# Altium PCB PCB_wordclocksmall_2022-11-05.pcbdoc (part 3 of 5) (continued)
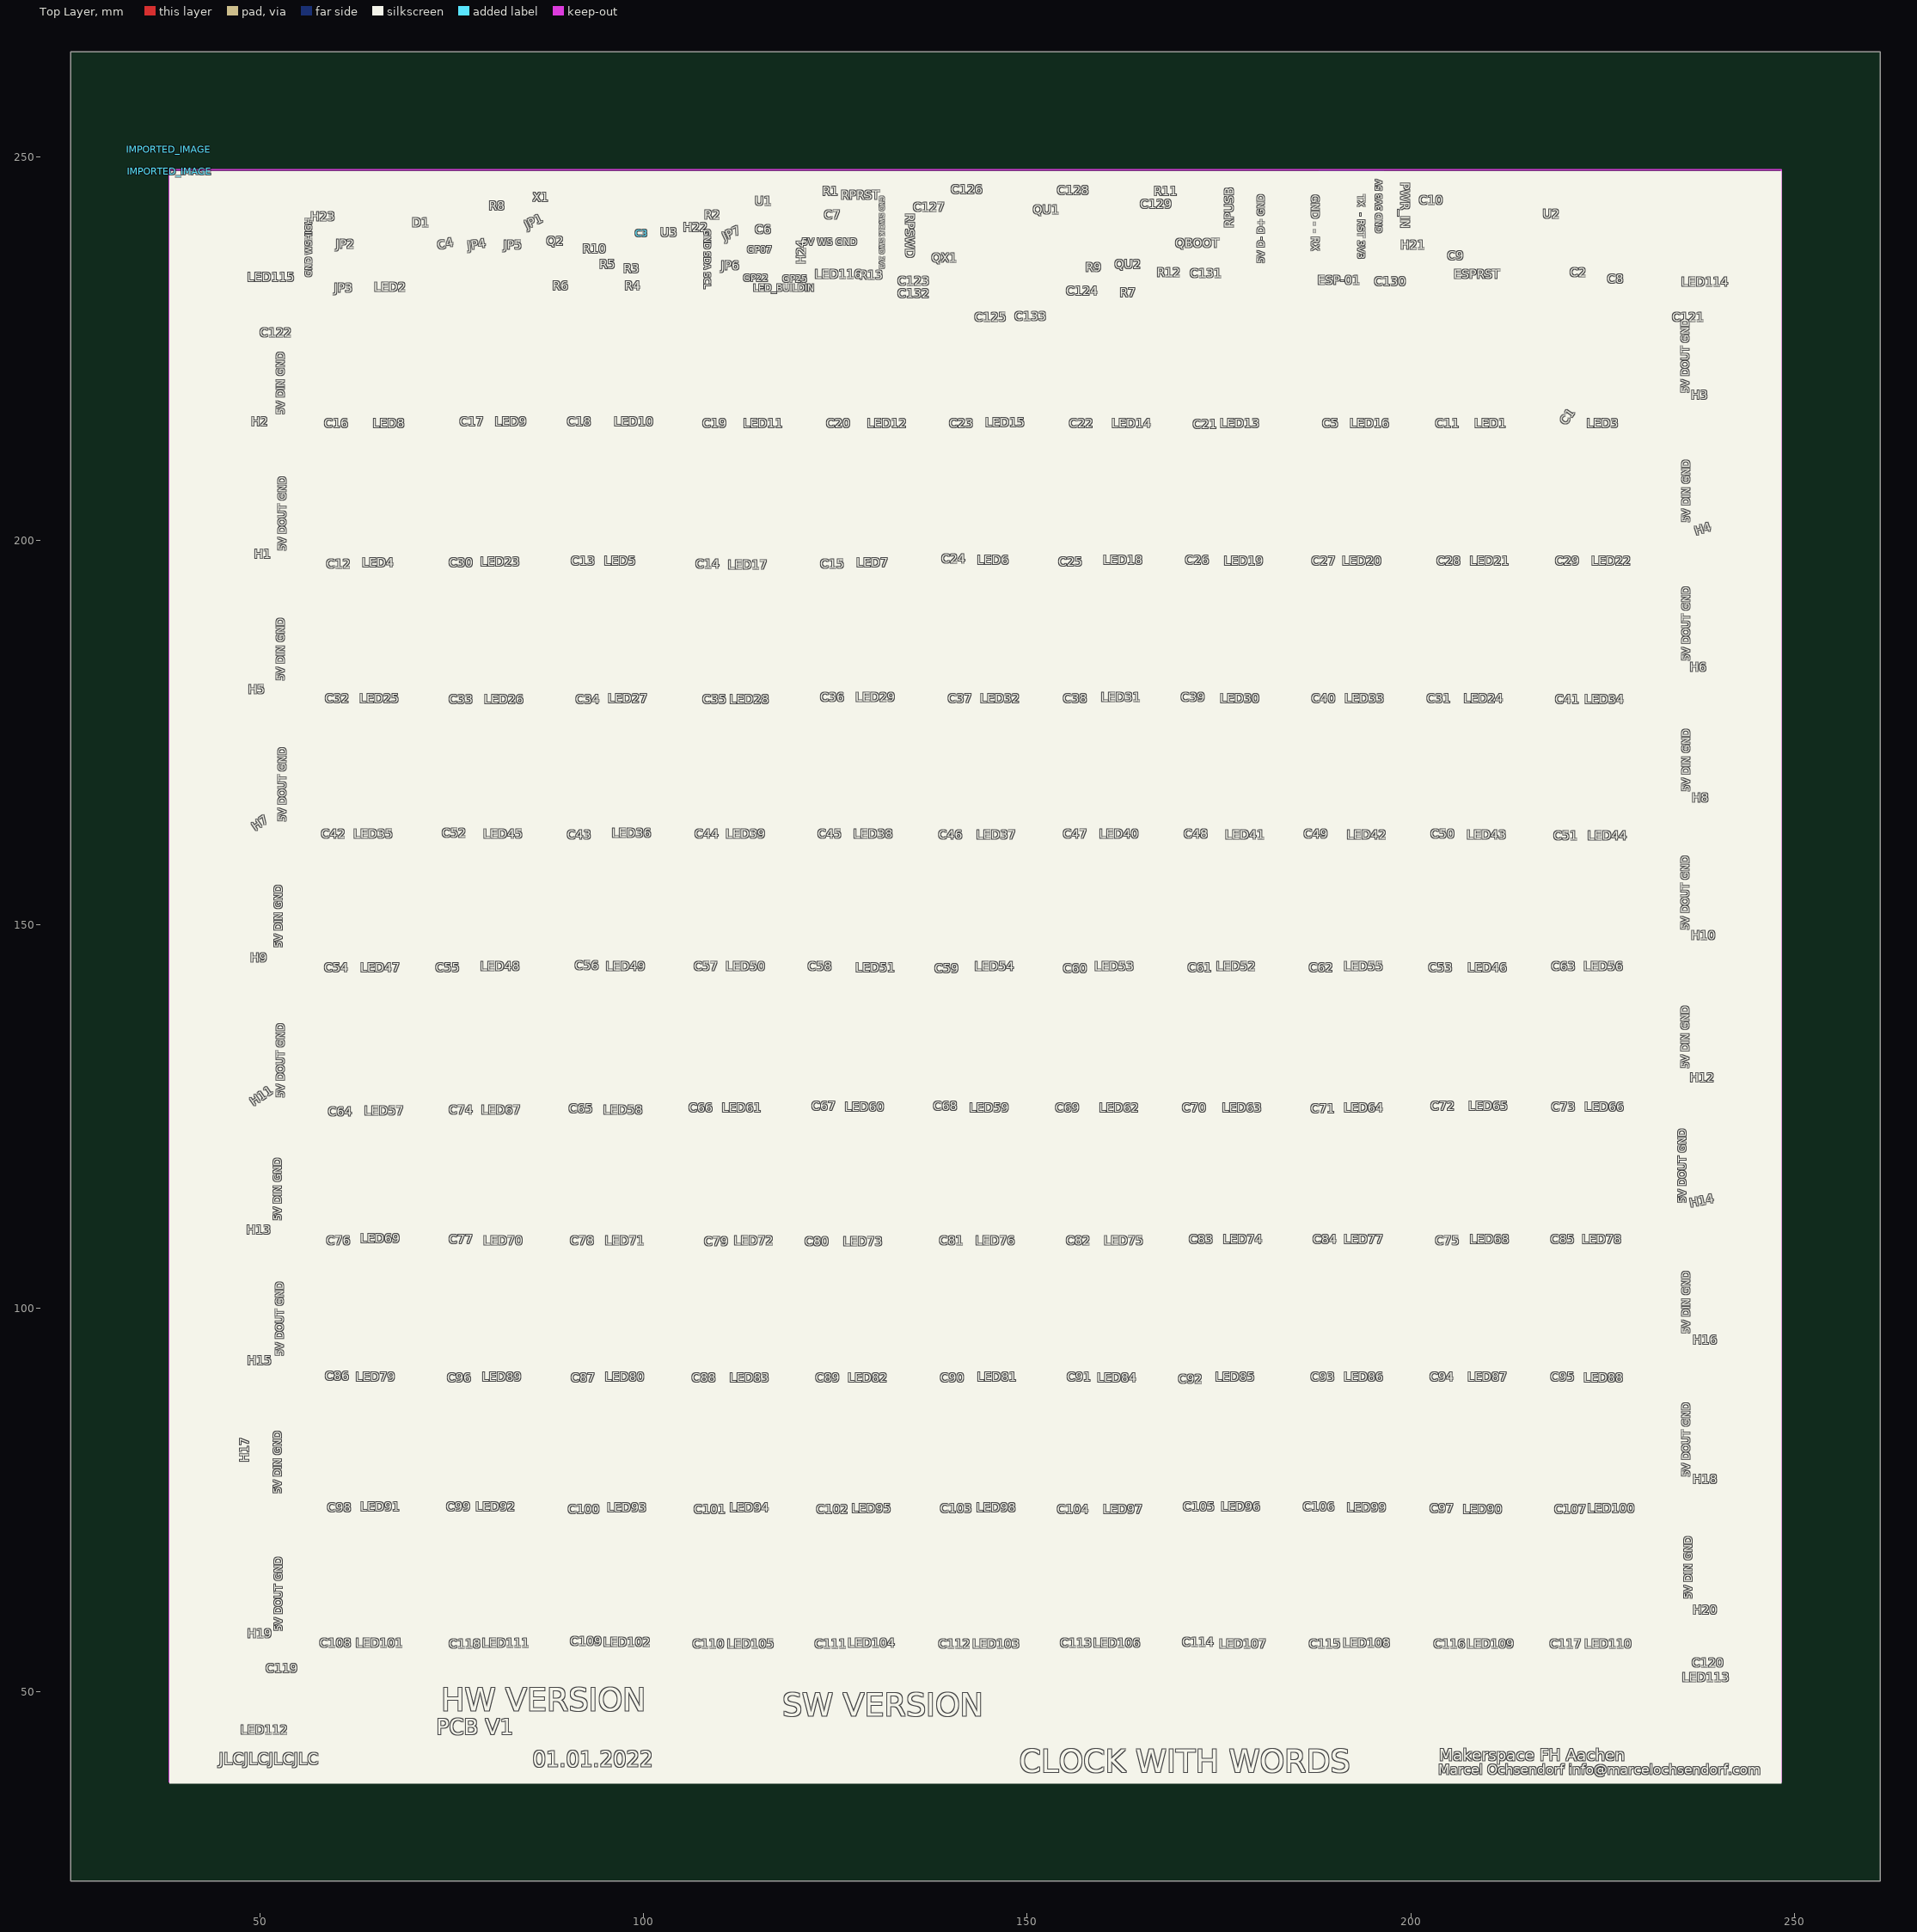
[diagram p0: Top Layer view]
## Footprints (in the part's own frame and the unit in brackets; to place one, negate y for a bottom-side part, rotate by r counter-clockwise, add the part's x,y. Pads: shape width x height; smd on the part's side, far side on the other; paste and mask are expansions set on the pad) (continued)
  Bottom Layer region: -0.825,-17.78 -0.818,-17.677 -0.799,-17.575 -0.767,-17.476 -0.723,-17.382 -0.668,-17.295 -0.601,-17.215 -0.526,-17.144 -0.442,-17.083 -0.351,-17.033 -0.255,-16.995 -0.155,-16.969 -0.052,-16.957 0.052,-16.957 0.155,-16.969 0.255,-16.995 0.351,-17.033 0.442,-17.083 0.526,-17.144 0.601,-17.215 0.668,-17.295 0.723,-17.382 0.767,-17.476 0.799,-17.575 0.818,-17.677 0.825,-17.78 0.825,-19.43 0.818,-19.533 0.799,-19.635 0.767,-19.734 0.723,-19.827 0.668,-19.915 0.601,-19.995 0.526,-20.066 0.442,-20.126 0.351,-20.176 0.255,-20.215 0.155,-20.24 0.052,-20.253 -0.052,-20.253 -0.155,-20.24 -0.255,-20.215 -0.351,-20.176 -0.442,-20.126 -0.526,-20.066 -0.601,-19.995 -0.668,-19.915 -0.723,-19.827 -0.767,-19.734 -0.799,-19.635 -0.818,-19.533 -0.825,-19.43
  Bottom Layer region: -48.03,-5.525 -47.926,-5.532 -47.825,-5.551 -47.726,-5.583 -47.632,-5.627 -47.545,-5.682 -47.465,-5.749 -47.394,-5.824 -47.333,-5.908 -47.283,-5.999 -47.245,-6.095 -47.22,-6.195 -47.206,-6.298 -47.206,-6.402 -47.22,-6.505 -47.245,-6.605 -47.283,-6.701 -47.333,-6.792 -47.394,-6.876 -47.465,-6.951 -47.545,-7.018 -47.632,-7.073 -47.726,-7.117 -47.825,-7.149 -47.926,-7.168 -48.03,-7.175 -49.68,-7.175 -49.783,-7.168 -49.885,-7.149 -49.984,-7.117 -50.077,-7.073 -50.165,-7.018 -50.245,-6.951 -50.316,-6.876 -50.377,-6.792 -50.426,-6.701 -50.464,-6.605 -50.49,-6.505 -50.503,-6.402 -50.503,-6.298 -50.49,-6.195 -50.464,-6.095 -50.426,-5.999 -50.377,-5.908 -50.316,-5.824 -50.245,-5.749 -50.165,-5.682 -50.077,-5.627 -49.984,-5.583 -49.885,-5.551 -49.783,-5.532 -49.68,-5.525
  Bottom Layer region: -48.03,-8.065 -47.926,-8.072 -47.825,-8.091 -47.726,-8.123 -47.632,-8.167 -47.545,-8.222 -47.465,-8.289 -47.394,-8.364 -47.333,-8.448 -47.283,-8.539 -47.245,-8.635 -47.22,-8.735 -47.206,-8.838 -47.206,-8.942 -47.22,-9.045 -47.245,-9.145 -47.283,-9.241 -47.333,-9.332 -47.394,-9.416 -47.465,-9.491 -47.545,-9.558 -47.632,-9.613 -47.726,-9.657 -47.825,-9.689 -47.926,-9.708 -48.03,-9.715 -49.68,-9.715 -49.783,-9.708 -49.885,-9.689 -49.984,-9.657 -50.077,-9.613 -50.165,-9.558 -50.245,-9.491 -50.316,-9.416 -50.377,-9.332 -50.426,-9.241 -50.464,-9.145 -50.49,-9.045 -50.503,-8.942 -50.503,-8.838 -50.49,-8.735 -50.464,-8.635 -50.426,-8.539 -50.377,-8.448 -50.316,-8.364 -50.245,-8.289 -50.165,-8.222 -50.077,-8.167 -49.984,-8.123 -49.885,-8.091 -49.783,-8.072 -49.68,-8.065
  Bottom Layer region: -48.03,-10.605 -47.926,-10.611 -47.825,-10.631 -47.726,-10.663 -47.632,-10.707 -47.545,-10.762 -47.465,-10.829 -47.394,-10.904 -47.333,-10.988 -47.283,-11.079 -47.245,-11.175 -47.22,-11.275 -47.206,-11.378 -47.206,-11.482 -47.22,-11.585 -47.245,-11.685 -47.283,-11.781 -47.333,-11.872 -47.394,-11.956 -47.465,-12.031 -47.545,-12.098 -47.632,-12.153 -47.726,-12.197 -47.825,-12.229 -47.926,-12.248 -48.03,-12.255 -49.68,-12.255 -49.783,-12.248 -49.885,-12.229 -49.984,-12.197 -50.077,-12.153 -50.165,-12.098 -50.245,-12.031 -50.316,-11.956 -50.377,-11.872 -50.426,-11.781 -50.464,-11.685 -50.49,-11.585 -50.503,-11.482 -50.503,-11.378 -50.49,-11.275 -50.464,-11.175 -50.426,-11.079 -50.377,-10.988 -50.316,-10.904 -50.245,-10.829 -50.165,-10.762 -50.077,-10.707 -49.984,-10.663 -49.885,-10.631 -49.783,-10.611 -49.68,-10.605
  silkscreen extent -49.63,-19.39 3.81,1.61
SOP-8_L4.9-W3.9-P1.27-LS6.0-BL [mm]
  oval 0.63x1.865 smd: 1(-1.905,-2.682) 2(-0.635,-2.682) 3(0.635,-2.682) 4(1.905,-2.682) 5(1.905,2.682) 6(0.635,2.682) 7(-0.635,2.682) 8(-1.905,2.682)
  silkscreen extent -2.82,-2.83 2.58,1.52
SOT-23-3_L2.9-W1.3-P1.90-LS2.4-BR [mm]
  rect 1.25x0.7 smd: 1(1,-0.95) 2(1,0.95) 3(-1,0)
  silkscreen extent -0.73,-1.53 0.73,1.53
SOT-223_L6.5-W3.5-P2.30-LS7.0-BR [mil]
  rect 85x43 smd: 1(122,-90.5) 2(122,0.5) 3(122,90.5)
  rect 85x138 smd: 4(-122,0.5)
  silkscreen extent -64,-132 64,132
WSOF-6_L2.6-W1.6-P0.50-TL-EP [mm]
  rect 0.505x0.28 smd: 1(-1.428,0.5) 2(-1.428,0) 3(-1.428,-0.5) 4(1.428,-0.5) 5(1.428,0) 6(1.428,0.5)
  rect 1.5x1.2 smd: 7(0,0)
  silkscreen extent -2.05,-0.88 1.58,0.88
WSON-8_L6.0-W5.0-P1.27-BL-EP [mm]
  oval 0.581x1.276 smd: 1(-1.905,-3.013) 2(-0.635,-3.013) 3(0.635,-3.013) 4(1.905,-3.013) 5(1.905,3.013) 6(0.635,3.013) 7(-0.635,3.013) 8(-1.905,3.013)
  rect 4.3x3.4 smd: 9(0,0)
  silkscreen extent -2.58,-4.05 2.58,3.08

## Free pads (board coordinates)
  round 3.3 hole 3.3 unplated: ""(43.815,243.855) ""(49.276,71.643) ""(49.276,107.838) ""(49.53,177.942) ""(49.911,142.763) ""(49.911,212.613) ""(63.119,49.291) ""(77.089,244.871) ""(110.363,49.164) ""(149.733,49.037) ""(179.578,49.037) ""(223.139,49.037) ""(237.236,162.956) ""(237.49,91.582) ""(237.49,127.396) ""(237.744,197.627) ""(243.586,244.617)

## Via types
v1: diameter 0.635, hole 0.305, Top Layer to Bottom Layer, tented both sides, 201 vias
v2: diameter 1, hole 0.5, Top Layer to Bottom Layer, tented both sides, 3 vias

## Nets (pads, with @x,y where several pads share a name; then routed paths per layer and width w, separated by ;. In a path a pad name is that pad's centre, name@x,y a point inside that pad or via, vN(x,y) a via of type N, cw(c..) or ccw(c..) an arc to the next point about the centre after c; other vN are vias at no path point)
1_3V3(OUT): 1.3V3(OUT)
1_3V3_EN: 1.3V3_EN
1_ADC_VREF: 1.ADC_VREF
1_GND3: 1.GND3
1_GND6: 1.GND6
1_GND7: 1.GND7
1_GND8: 1.GND8
1_GP4: 1.GP4
1_GP5: 1.GP5
1_GP6: 1.GP6
1_GP7: 1.GP7
1_GP8: 1.GP8
1_GP9: 1.GP9
1_GP10: 1.GP10
1_GP11: 1.GP11
1_GP12: 1.GP12
1_GP13: 1.GP13
1_GP14: 1.GP14
1_GP15: 1.GP15
1_GP17: 1.GP17
1_GP18: 1.GP18
1_GP19: 1.GP19
1_GP20: 1.GP20
1_GP21: 1.GP21
1_GP26: 1.GP26
1_GP27: 1.GP27
1_GP28: 1.GP28
1_RUN: 1.RUN
1_SWCLK: 1.SWCLK
1_SWDIO: 1.SWDIO
1_VSYS: 1.VSYS
+1V1: C123.1 C124.1 QU1.23 QU1.45 QU1.50 | length 39.7
  Top Layer w0.229: C123.1@139.827,235.346 139.827,237.505 140.335,238.013 141.224,238.013 142.657,239.446 QU1.23@144.278,239.445 ; QU1.23@144.278,239.445 145.126,239.445 145.288,239.283 145.288,237.759 v1(145.415,237.632) ; v1(145.415,240.934) 145.415,241.696 145.923,242.204 149.225,242.204 149.86,241.569 149.86,240.447 150.061,240.246 ; QU1.45@151.378,238.245 152.168,238.245 153.797,236.616 C124.1@153.797,235.473 ; QU1.45@151.378,238.245 150.391,238.244 149.733,238.902 149.733,239.918 150.061,240.246 ; QU1.50@151.378,240.245 150.061,240.246
  Bottom Layer w0.229: v1(145.415,237.632) 145.415,238.394 144.78,239.029 141.986,239.029 141.224,239.791 141.224,241.061 140.97,241.315 140.97,242.331 141.351,242.712 142.494,242.712 144.272,240.934 v1(145.415,240.934)
+5V: 1.VBUS C1.1 C2.2 C5.1 C8.1 C11.1 C12.1 C13.1 C14.1 C15.1 C16.1 C17.1 C18.1 C19.1 C20.1 C21.1 C22.1 C23.1 C24.1 C25.1 C26.1 C27.1 C28.1 C29.1 C30.1 C31.1 C32.1 C33.1 C34.1 C35.1 C36.1 C37.1 C38.1 C39.1 C40.1 C41.1 C42.1 C43.1 C44.1 C45.1 C46.1 C47.1 C48.1 C49.1 C50.1 C51.1 C52.1 C53.1 C54.1 C55.1 C56.1 C57.1 C58.1 C59.1 C60.1 C61.1 C62.1 C63.1 C64.1 C65.1 C66.1 C67.1 C68.1 C69.1 C70.1 C71.1 C72.1 C73.1 C74.1 C75.1 C76.1 C77.1 C78.1 C79.1 C80.1 C81.1 C82.1 C83.1 C84.1 C85.1 C86.1 C87.1 C88.1 C89.1 C90.1 C91.1 C92.1 C93.1 C94.1 C95.1 C96.1 C97.1 C98.1 C99.1 C100.1 C101.1 C102.1 C103.1 C104.1 C105.1 C106.1 C107.1 C108.1 C109.1 C110.1 C111.1 C112.1 C113.1 C114.1 C115.1 C116.1 C117.1 C118.1 C119.1 C120.1 C121.1 C122.1 D1.2 H1.1 H2.1 H3.1 H4.1 H5.1 H6.1 H7.1 H8.1 H9.1 H10.1 H11.1 H12.1 H13.1 H14.1 H15.1 H16.1 H17.1 H18.1 H19.1 H20.1 H21.1 H24.1 JP4.1 LED1.1 LED3.1 LED4.1 LED5.1 LED6.1 LED7.1 LED8.1 LED9.1 LED10.1 LED11.1 LED12.1 LED13.1 LED14.1 LED15.1 LED16.1 LED17.1 LED18.1 LED19.1 LED20.1 LED21.1 LED22.1 LED23.1 LED24.1 LED25.1 LED26.1 LED27.1 LED28.1 LED29.1 LED30.1 LED31.1 LED32.1 LED33.1 LED34.1 LED35.1 LED36.1 LED37.1 LED38.1 LED39.1 LED40.1 LED41.1 LED42.1 LED43.1 LED44.1 LED45.1 LED46.1 LED47.1 LED48.1 LED49.1 LED50.1 LED51.1 LED52.1 LED53.1 LED54.1 LED55.1 LED56.1 LED57.1 LED58.1 LED59.1 LED60.1 LED61.1 LED62.1 LED63.1 LED64.1 LED65.1 LED66.1 LED67.1 LED68.1 LED69.1 LED70.1 LED71.1 LED72.1 LED73.1 LED74.1 LED75.1 LED76.1 LED77.1 LED78.1 LED79.1 LED80.1 LED81.1 LED82.1 LED83.1 LED84.1 LED85.1 LED86.1 LED87.1 LED88.1 LED89.1 LED90.1 LED91.1 LED92.1 LED93.1 LED94.1 LED95.1 LED96.1 LED97.1 LED98.1 LED99.1 LED100.1 LED101.1 LED102.1 LED103.1 LED104.1 LED105.1 LED106.1 LED107.1 LED108.1 LED109.1 LED110.1 LED111.1 LED112.1 LED113.1 LED114.1 LED115.1 R6.2 R8.2 RPUSB.1 U2.3 | length 3367.7
  Top Layer w0.5: D1.2@68.272,242.204 76.073,242.204 78.867,239.41 78.867,237.353 JP4.1@78.765,237.251 ; R8.2@80.772,242.331 80.772,241.315 78.765,239.309 JP4.1@78.765,237.251 ; R6.2@84.836,234.203 79.121,234.203 78.74,234.584 JP4.1@78.765,237.251
  Top Layer w1: LED115.1@48.046,239.894 50.419,237.521 50.419,236.235 48.514,234.33 48.514,230.774 49.784,229.504 C122.1@51.181,229.504 50.673,229.504 v1(49.53,228.361) ; H13.1@49.403,113.045 55.118,113.045 58.674,109.489 62.992,109.489 ; H19.1@49.53,60.467 53.467,56.53 ; H17.1@49.53,77.612 49.53,76.342 51.308,74.564 62.992,74.564 ; H5.1@49.53,183.276 54.356,183.276 57.404,180.228 63.119,180.228 ; H15.1@49.657,95.9 49.657,93.614 49.53,93.487 51.562,91.455 65.405,91.455 ; H9.1@49.784,148.351 55.118,148.351 58.547,144.922 63.119,144.922 ; H11.1@49.911,129.682 49.911,127.904 51.181,126.634 66.167,126.634 ; H2.1@49.911,218.201 53.467,214.645 62.611,214.645 ; H7.1@50.038,165.496 53.34,162.194 64.77,162.194 ; H1.1@50.038,201.056 50.038,199.532 51.816,197.754 64.77,197.754 ; LED112.1@52.538,47.791 51.919,47.791 49.53,50.18 C119.1@49.53,53.99 50.927,53.99 53.467,56.53 ; LED8.1@64.984,220.892 63.373,219.281 C16.1@63.373,217.82 63.373,215.407 62.611,214.645 ; LED25.1@65.238,185.713 65.238,184.379 C32.1@63.754,182.895 63.754,180.863 63.119,180.228 ; LED4.1@65.238,203.62 65.238,201.905 C12.1@63.627,200.294 63.627,198.897 64.77,197.754 ; LED35.1@65.365,167.933 65.365,166.472 C42.1@63.627,164.734 63.627,163.337 64.77,162.194 ; LED101.1@65.619,63.031 65.619,61.189 C108.1@63.881,59.451 63.881,57.927 65.278,56.53 ; LED57.1@65.619,132.246 65.619,130.15 C64.1@63.881,128.412 64.389,128.412 66.294,126.507 80.772,126.507 ; LED91.1@65.746,80.176 65.746,79.096 C98.1@64.008,77.358 64.008,75.58 62.992,74.564 ; LED79.1@65.746,98.464 65.746,96.876 C86.1@64.008,95.138 64.008,92.852 65.405,91.455 ; LED69.1@65.746,115.355 65.746,114.021 C76.1@64.008,112.283 64.008,110.759 64.135,110.632 62.992,109.489 ; LED47.1@65.746,150.915 65.746,149.454 C54.1@64.008,147.716 64.008,145.811 63.119,144.922 ; LED92.1@80.478,80.176 80.478,78.969 C99.1@78.994,77.485 78.994,75.834 77.724,74.564 ; LED111.1@80.605,63.285 80.605,61.062 C118.1@79.121,59.578 79.121,58.816 78.867,58.562 80.899,56.53 ; LED89.1@80.732,98.464 80.732,96.749 C96.1@79.248,95.265 79.248,93.233 81.026,91.455 ; LED70.1@80.859,115.355 80.859,113.64 C77.1@79.502,112.283 79.502,110.632 78.359,109.489 ; LED67.1@81.113,132.119 81.113,130.023 C74.1@79.629,128.539 79.629,127.65 80.772,126.507 ; LED23.1@81.113,203.62 81.113,201.778 C30.1@79.629,200.294 79.629,198.643 80.518,197.754 ; LED48.1@81.24,150.915 81.24,148.946 C55.1@79.756,147.462 79.756,145.684 78.994,144.922 ; LED45.1@81.24,167.806 81.24,166.472 C52.1@79.629,164.861 79.629,163.21 80.645,162.194 ; LED26.1@81.24,185.586 81.24,184.506 C33.1@79.629,182.895 79.629,180.863 78.994,180.228 ; v1(83.439,221.249) 83.336,221.146 81.113,221.146 79.883,219.916 C17.1@79.883,218.201 79.883,215.788 78.74,214.645 ; v1(83.439,228.361) 84.836,229.758 R6.2@84.836,234.203 ; LED10.1@96.987,221.272 v2(98.552,221.249) ; LED10.1@96.988,221.273 95.25,219.535 C18.1@95.25,218.328 95.25,216.169 93.726,214.645 ; LED93.1@97.115,80.303 97.115,78.842 C100.1@95.631,77.358 95.631,75.58 94.615,74.564 ; LED102.1@97.242,63.158 97.242,61.316 C109.1@95.504,59.578 95.504,58.054 97.028,56.53 ; LED80.1@97.242,98.337 97.242,96.622 C87.1@95.758,95.138 95.758,92.979 97.282,91.455 ; LED71.1@97.242,115.609 97.242,113.513 C78.1@96.012,112.283 96.012,111.14 96.139,111.013 94.615,109.489 ; LED58.1@97.369,132.119 97.369,129.769 C65.1@96.139,128.539 96.139,128.031 97.663,126.507 112.649,126.507 ; LED49.1@97.369,150.915 97.369,148.819 C56.1@96.012,147.462 96.012,145.684 95.25,144.922 ; LED5.1@97.369,203.366 97.369,201.905 C13.1@95.758,200.294 95.758,198.389 96.393,197.754 ; LED36.1@97.623,167.806 97.623,166.218 C43.1@96.139,164.734 96.139,163.464 96.012,163.337 97.155,162.194 ; LED27.1@97.75,185.84 97.75,184.379 C34.1@96.139,182.768 96.139,180.99 95.377,180.228 ; 97.917,126.507 80.772,126.507 ; LED28.1@112.99,185.84 112.99,184.379 C35.1@111.379,182.768 111.379,181.244 110.363,180.228 ; LED61.1@113.117,131.992 113.117,130.277 C66.1@111.633,128.793 111.633,127.904 112.522,126.507 129.794,126.507 ; LED39.1@113.117,167.933 113.117,166.853 C44.1@111.125,164.861 111.125,163.21 112.141,162.194 ; LED94.1@113.244,80.43 113.244,79.223 C101.1@111.506,77.485 111.506,75.961 111.633,75.834 110.363,74.564 ; LED83.1@113.244,98.337 113.244,96.876 C88.1@111.633,95.265 111.633,93.106 113.284,91.455 ; LED72.1@113.244,115.736 113.244,114.021 C79.1@111.76,112.537 111.76,110.632 110.617,109.489 ; LED50.1@113.244,150.915 113.244,149.327 C57.1@111.379,147.462 111.379,146.065 110.236,144.922 ; LED105.1@113.371,63.031 113.371,61.57 C110.1@111.506,59.705 111.506,57.419 112.395,56.53 ; LED17.1@113.879,203.493 113.879,201.778 C14.1@112.395,200.294 112.395,199.405 114.046,197.754 ; LED11.1@113.879,221.4 112.268,219.789 C19.1@112.268,218.582 112.268,216.55 110.363,214.645 ; LED95.1@129.5,80.303 129.5,78.842 C102.1@128.016,77.358 128.016,75.58 127,74.564 ; LED82.1@129.5,98.337 129.5,96.749 C89.1@128.016,95.265 128.016,93.106 129.667,91.455 ; LED73.1@129.5,115.736 129.5,113.767 C80.1@128.143,112.41 128.143,110.632 127,109.489 ; LED104.1@129.754,62.65 129.754,60.935 C111.1@128.27,59.451 128.27,57.673 129.413,56.53 ; LED60.1@129.754,132.246 129.754,130.531 C67.1@128.27,129.047 128.27,128.031 129.794,126.507 ; LED51.1@129.754,151.042 129.754,148.946 C58.1@128.143,147.335 128.143,146.192 128.27,146.065 127.127,144.922 ; LED38.1@129.754,168.06 129.754,166.599 C45.1@128.27,165.115 128.27,163.718 129.794,162.194 ; LED29.1@129.754,185.84 129.754,184.379 C36.1@128.27,182.895 128.27,181.244 127.254,180.228 ; LED7.1@129.754,203.366 129.754,202.921 129.667,202.834 129.667,201.945 C15.1@128.143,200.421 130.81,197.754 ; LED12.1@130.135,221.273 128.651,219.789 C20.1@128.651,218.455 128.651,216.804 126.492,214.645 ; 145.542,126.507 129.794,126.507 ; LED15.1@145.629,221.273 144.018,219.662 C23.1@144.018,218.455 144.018,216.042 142.621,214.645 ; LED54.1@145.756,151.042 145.756,149.2 C59.1@144.145,147.589 144.145,145.811 143.256,144.922 ; LED37.1@145.756,168.06 145.756,166.853 C46.1@144.145,165.242 144.145,163.591 145.542,162.194 ; LED32.1@145.756,185.713 145.756,184.252 C37.1@144.145,182.641 144.145,181.244 143.129,180.228 ; LED76.1@145.883,115.609 145.883,113.767 C81.1@144.399,112.283 144.399,110.632 143.256,109.489 ; LED59.1@145.883,132.373 145.883,130.658 C68.1@144.272,129.047 144.272,127.65 145.415,126.507 161.798,126.507 ; LED6.1@145.883,203.62 145.883,202.159 C24.1@144.145,200.421 144.145,198.897 145.288,197.754 ; LED98.1@146.01,80.43 146.01,79.096 C103.1@144.272,77.358 144.272,76.088 144.399,75.961 143.002,74.564 ; LED81.1@146.01,98.337 146.01,96.876 C90.1@144.399,95.265 144.399,93.233 146.177,91.455 ; LED103.1@146.137,62.777 146.137,61.316 C112.1@144.272,59.451 144.272,57.546 145.288,56.53 ; LED106.1@161.25,62.65 161.25,60.808 C113.1@159.893,59.451 159.893,58.308 161.671,56.53 ; LED97.1@161.25,80.303 161.25,79.985 161.036,79.771 161.036,78.501 C104.1@159.639,77.104 159.639,75.707 158.496,74.564 ; LED84.1@161.377,98.464 161.377,96.622 C91.1@159.893,95.138 159.893,93.106 161.544,91.455 ; LED75.1@161.377,115.609 161.377,114.021 C82.1@159.766,112.41 159.766,110.632 158.623,109.489 ; LED62.1@161.377,132.373 161.377,130.531 C69.1@159.893,129.047 159.893,128.412 161.798,126.507 ; LED53.1@161.377,150.915 161.377,149.073 C60.1@160.147,147.843 160.147,146.065 159.004,144.922 ; LED40.1@161.504,168.06 161.504,166.599 C47.1@160.02,165.115 160.02,164.226 162.052,162.194 ; LED31.1@161.631,185.713 161.631,184.125 C38.1@160.147,182.641 160.147,181.371 159.004,180.228 ; LED18.1@161.885,203.62 161.885,202.032 C25.1@160.147,200.294 162.687,197.754 ; LED14.1@161.884,221.399 v1(163.83,221.376) ; LED14.1@161.885,221.4 160.274,219.789 C22.1@160.274,218.328 160.274,216.296 158.623,214.645 ; LED30.1@177.252,185.713 177.252,184.125 C39.1@175.768,182.641 175.768,181.371 174.625,180.228 ; LED107.1@177.633,62.65 177.633,60.681 C114.1@176.53,59.578 176.53,57.546 177.546,56.53 ; LED85.1@177.633,98.21 177.633,96.368 C92.1@176.149,94.884 176.149,93.106 177.8,91.455 ; LED74.1@177.633,115.736 177.633,113.767 C83.1@176.149,112.283 176.149,110.378 175.26,109.489 ; LED41.1@177.633,168.187 177.633,166.853 C48.1@175.895,165.115 175.895,163.591 177.292,162.194 ; LED96.1@177.76,80.557 177.76,78.461 C105.1@176.403,77.104 176.403,75.834 175.133,74.564 ; LED63.1@177.76,132.5 177.76,130.404 C70.1@176.53,129.174 176.53,127.904 177.927,126.507 ; LED13.1@177.76,221.654 176.276,220.17 C21.1@176.276,218.328 176.276,215.407 175.514,214.645 ; LED52.1@177.887,151.169 177.887,149.581 C61.1@176.276,147.97 176.276,146.065 175.133,144.922 ; LED19.1@178.141,203.62 178.141,201.905 C26.1@176.657,200.421 176.657,199.024 177.927,197.754 ; 190.733,109.489 206.629,109.489 ; LED20.1@194.016,203.62 192.532,202.136 C27.1@192.532,200.421 195.199,197.754 ; LED108.1@194.27,62.777 194.27,61.189 C115.1@192.532,59.451 192.532,57.8 193.802,56.53 ; LED99.1@194.27,80.303 194.27,78.588 C106.1@192.786,77.104 192.786,75.707 191.643,74.564 ; LED86.1@194.27,98.083 194.27,96.114 C93.1@192.659,94.503 192.659,92.725 193.929,91.455 ; LED77.1@194.27,115.863 194.27,114.275 C84.1@192.659,112.664 192.659,111.14 192.786,111.013 191.262,109.489 175.26,109.489 ; LED55.1@194.27,151.042 194.27,149.327 C62.1@192.659,147.716 192.659,146.065 191.516,144.922 ; LED42.1@194.27,168.441 194.27,166.599 C49.1@192.913,165.242 192.913,163.718 194.437,162.194 ; LED64.1@194.397,132.373 194.397,130.912 C71.1@192.786,129.301 192.786,127.65 193.929,126.507 ; LED33.1@194.397,185.459 194.397,184.125 C40.1@192.913,182.641 192.913,180.736 192.405,180.228 ; LED16.1@195.032,221.527 193.294,219.789 C5.1@193.294,218.455 193.294,216.423 191.516,214.645 ; 207.772,198.135 208.153,197.754 224.282,197.754 224.663,198.135 C29.1@224.663,200.04 226.274,201.651 LED22.1@226.274,203.493 237.26,203.493 H4.1@237.744,203.977 ; LED109.1@209.637,62.65 209.637,61.062 C116.1@208.28,59.705 208.28,57.546 209.296,56.53 ; LED87.1@209.637,98.083 209.637,96.241 C94.1@208.026,94.63 208.026,92.598 209.169,91.455 ; LED90.1@209.764,80.176 209.764,78.715 C97.1@208.026,76.977 208.026,75.707 208.153,75.58 207.137,74.564 ; LED68.1@209.764,115.863 209.764,114.275 C75.1@207.899,112.41 207.899,110.759 206.629,109.489 ; LED65.1@209.891,132.373 209.891,131.166 C72.1@208.026,129.301 208.026,127.142 208.661,126.507 ; LED46.1@209.891,150.915 209.891,149.073 C53.1@208.534,147.716 208.534,145.938 207.518,144.922 ; LED43.1@209.891,168.441 209.891,166.726 C50.1@208.534,165.369 208.534,163.718 210.058,162.194 ; LED21.1@209.891,203.62 208.28,202.009 C28.1@208.28,200.294 208.28,198.643 207.391,197.754 195.199,197.754 ; LED24.1@210.018,185.586 210.018,183.871 C31.1@208.534,182.387 208.534,181.117 207.645,180.228 ; LED1.1@210.018,221.527 208.28,219.789 C11.1@208.28,218.582 208.28,215.915 207.01,214.645 ; U2.3@216.929,237.454 221.666,237.454 C2.2@221.742,237.378 C8.1@227.584,237.401 ; C121.1@234.696,231.536 v2(233.426,232.806) 233.426,235.6 236.22,238.394 237.49,238.394 239.244,240.148 LED114.1@239.244,240.894 ; H6.1@237.49,186.197 226.504,186.197 LED34.1@226.02,185.713 226.02,183.871 C41.1@224.536,182.387 224.536,181.117 223.647,180.228 207.645,180.228 ; H3.1@237.49,221.757 226.377,221.757 LED3.1@226.147,221.527 224.536,219.916 C1.1@224.536,218.709 224.536,215.534 223.647,214.645 207.01,214.645 ; H14.1@237.617,116.347 237.133,115.863 LED78.1@226.274,115.863 226.274,114.275 C85.1@224.536,112.537 224.536,111.14 222.885,109.489 206.629,109.489 ; H12.1@237.617,132.857 237.133,132.373 LED66.1@226.147,132.373 226.147,131.039 C73.1@224.409,129.301 224.409,127.269 223.647,126.507 208.661,126.507 ; H10.1@237.617,151.272 237.26,150.915 LED56.1@226.147,150.915 226.147,149.454 C63.1@224.282,147.589 224.282,145.938 223.266,144.922 207.518,144.922 ; H8.1@237.617,169.179 237.006,168.568 LED44.1@226.147,168.568 226.147,167.234 C51.1@224.155,165.242 224.155,163.337 223.012,162.194 210.058,162.194 ; H18.1@237.744,80.406 237.26,79.922 LED100.1@226.401,79.922 226.401,78.461 C107.1@224.917,76.977 224.917,75.326 224.155,74.564 207.137,74.564 ; H16.1@237.744,98.44 237.133,97.829 LED88.1@226.401,97.829 226.401,95.987 C95.1@224.917,94.503 224.917,92.852 223.52,91.455 209.169,91.455 ; LED113.1@239.99,47.41 239.8,47.41 237.871,45.481 233.426,45.481 232.029,46.878 232.029,54.752 235.458,58.181 C120.1@237.617,58.181 237.617,63.134 H20.1@237.871,63.388 237.26,62.777 LED110.1@226.02,62.777 226.02,61.062 C117.1@224.79,59.832 224.79,57.546 223.774,56.53 209.296,56.53 ; 53.467,56.53 65.278,56.53 ; 62.611,214.645 78.74,214.645 ; 62.992,74.564 77.724,74.564 ; 62.992,109.489 78.359,109.489 ; 63.119,144.922 78.994,144.922 ; 63.119,180.228 78.994,180.228 ; 64.77,162.194 80.645,162.194 ; 64.77,197.754 80.518,197.754 ; 65.278,56.53 80.899,56.53 ; 65.405,91.455 81.026,91.455 ; 77.724,74.564 94.615,74.564 ; 78.359,109.489 94.615,109.489 ; 78.74,214.645 93.726,214.645 ; 78.994,144.922 95.25,144.922 ; 78.994,180.228 95.377,180.228 ; 80.518,197.754 96.393,197.754 ; 80.645,162.194 97.155,162.194 ; 80.899,56.53 97.028,56.53 ; 81.026,91.455 97.282,91.455 ; 93.726,214.645 110.363,214.645 ; 94.615,74.564 110.363,74.564 ; 94.615,109.489 110.617,109.489 ; 95.25,144.922 110.236,144.922 ; 95.377,180.228 110.363,180.228 ; 96.393,197.754 114.046,197.754 ; 97.028,56.53 112.395,56.53 ; 97.155,162.194 112.141,162.194 ; 97.282,91.455 113.284,91.455 ; 110.236,144.922 127.127,144.922 ; 110.363,74.564 127,74.564 ; 110.363,180.228 127.254,180.228 ; 110.363,214.645 126.492,214.645 ; 110.617,109.489 127,109.489 ; 112.141,162.194 129.794,162.194 ; 112.395,56.53 129.413,56.53 ; 113.284,91.455 129.667,91.455 ; 114.046,197.754 130.81,197.754 ; 126.492,214.645 142.621,214.645 ; 127,74.564 143.002,74.564 ; 127,109.489 143.256,109.489 ; 127.127,144.922 143.256,144.922 ; 127.254,180.228 143.129,180.228 ; 129.413,56.53 145.288,56.53 ; 129.667,91.455 146.177,91.455 ; 129.794,162.194 145.542,162.194 ; 130.81,197.754 145.288,197.754 ; 142.621,214.645 158.623,214.645 ; 143.002,74.564 158.496,74.564 ; 143.129,180.228 159.004,180.228 ; 143.256,109.489 158.623,109.489 ; 143.256,144.922 159.004,144.922 ; 145.288,56.53 161.671,56.53 ; 145.288,197.754 162.687,197.754 ; 145.542,162.194 162.052,162.194 ; 146.177,91.455 161.544,91.455 ; 158.496,74.564 175.133,74.564 ; 158.623,109.489 175.26,109.489 ; 158.623,214.645 175.514,214.645 ; 159.004,144.922 175.133,144.922 ; 159.004,180.228 174.625,180.228 ; 161.544,91.455 177.8,91.455 ; 161.671,56.53 177.546,56.53 ; 161.798,126.507 177.927,126.507 ; 162.052,162.194 177.292,162.194 ; 162.687,197.754 v1(164.584,197.754) 177.927,197.754 ; 174.625,180.228 192.405,180.228 ; 175.133,74.564 191.643,74.564 ; 175.133,144.922 191.516,144.922 ; 175.514,214.645 191.516,214.645 ; 177.292,162.194 194.437,162.194 ; 177.546,56.53 193.802,56.53 ; 177.8,91.455 193.929,91.455 ; 177.927,126.507 193.929,126.507 ; 177.927,197.754 195.199,197.754 ; 191.516,144.922 207.518,144.922 ; 191.516,214.645 207.01,214.645 ; 191.643,74.564 207.137,74.564 ; 192.405,180.228 207.645,180.228 ; 193.802,56.53 209.296,56.53 ; 193.929,91.455 209.169,91.455 ; 193.929,126.507 208.661,126.507 ; 194.437,162.194 210.058,162.194
  Top Layer w2: H21.1@197.485,246.268 205.74,246.268 227.076,246.268 233.426,239.918 v2(233.426,232.806) ; C8.1@227.584,237.401 227.584,234.457 v2(227.838,234.203)
  Bottom Layer w1: v1(49.53,228.361) 47.498,226.329 47.498,218.836 48.133,218.201 H2.1@49.911,218.201 ; v1(83.439,221.249) v1(83.439,228.361) ; v1(113.792,221.376) 113.792,234.584 115.951,236.743 121.285,236.743 H24.1@121.92,237.378 ; v1(164.584,197.754) 1.VBUS@164.592,211.343
  Bottom Layer w1.5: RPUSB.1@177.927,236.87 185.928,236.87 187.198,238.14 187.198,246.522 188.087,247.411 196.342,247.411 H21.1@197.485,246.268
  Bottom Layer w2: H13.1@49.403,113.045 52.832,113.045 54.991,115.204 ; H19.1@49.53,60.467 47.498,60.467 44.323,63.642 44.323,74.691 47.371,77.739 47.498,77.612 H17.1@49.53,77.612 52.959,77.612 54.991,79.644 54.991,99.71 ; H5.1@49.53,183.276 52.578,183.276 54.991,185.689 ; H15.1@49.657,95.9 51.181,95.9 54.991,99.71 ; H9.1@49.784,148.351 52.578,148.351 52.705,148.224 54.991,150.51 ; H11.1@49.911,129.682 52.578,129.682 54.991,132.095 ; H2.1@49.911,218.201 52.705,218.201 54.991,215.915 54.991,203.85 ; H7.1@50.038,165.496 51.943,165.496 54.991,168.544 54.991,185.689 ; H1.1@50.038,201.056 52.197,201.056 54.991,203.85 ; 54.991,170.449 54.991,150.51 ; v2(227.838,234.203) 232.029,234.203 v2(233.426,232.806) 233.426,219.725 233.934,219.217 ; H6.1@237.49,186.197 235.331,186.197 233.934,187.594 ; H3.1@237.49,221.757 236.474,221.757 233.934,219.217 ; H14.1@237.617,116.347 235.712,116.347 233.934,118.125 ; H12.1@237.617,132.857 235.585,132.857 235.458,132.73 233.934,134.254 ; H10.1@237.617,151.272 236.347,151.272 236.22,151.145 233.934,153.431 ; H8.1@237.617,169.179 236.22,169.179 233.934,171.465 ; H16.1@237.744,98.44 235.966,98.44 233.934,100.472 ; H4.1@237.744,203.977 236.601,203.977 233.934,206.644 ; H20.1@237.871,63.388 239.903,63.388 241.173,64.658 241.173,76.977 H18.1@237.744,80.406 236.22,80.406 233.934,82.692 233.934,100.472 ; 54.991,99.71 54.991,115.204 ; 54.991,115.204 54.991,132.095 ; 54.991,132.095 54.991,150.51 ; 54.991,185.689 54.991,203.85 ; 233.934,100.472 233.934,118.125 ; 233.934,118.125 233.934,134.254 ; 233.934,134.254 233.934,153.431 ; 233.934,153.431 233.934,171.465 ; 233.934,171.465 233.934,187.594 ; 233.934,187.594 233.934,206.644 ; 233.934,206.644 233.934,219.217
ADC0: QU1.38
ADC1: QU1.39
ADC2: QU1.40
ADC3: QU1.41
D1_1: C4.1 D1.1 JP4.2 LED2.1 | length 17.5
  Top Layer w0.5: LED2.1@64.937,238.497 66.183,237.251 C4.1@73.914,237.251 JP4.2@77.953,237.251
  Top Layer w1: LED2.1@64.937,238.497 64.937,241.555 D1.1@65.586,242.204
ESPRST_1: ESPRST.1
ESPRST_3: ESPRST.3